# Altium PCB STM32_QFP100_DEVELOPMENT_BOARD.PcbDoc
Units mm, origin at the board's own origin, x right, y up, seen from the top; angles counter-clockwise.
Board outline 116.84 x 69.85 mm, 2 copper layers (Top Layer, Bottom Layer); 57 components, 106 nets, 335 pads, 109 vias.
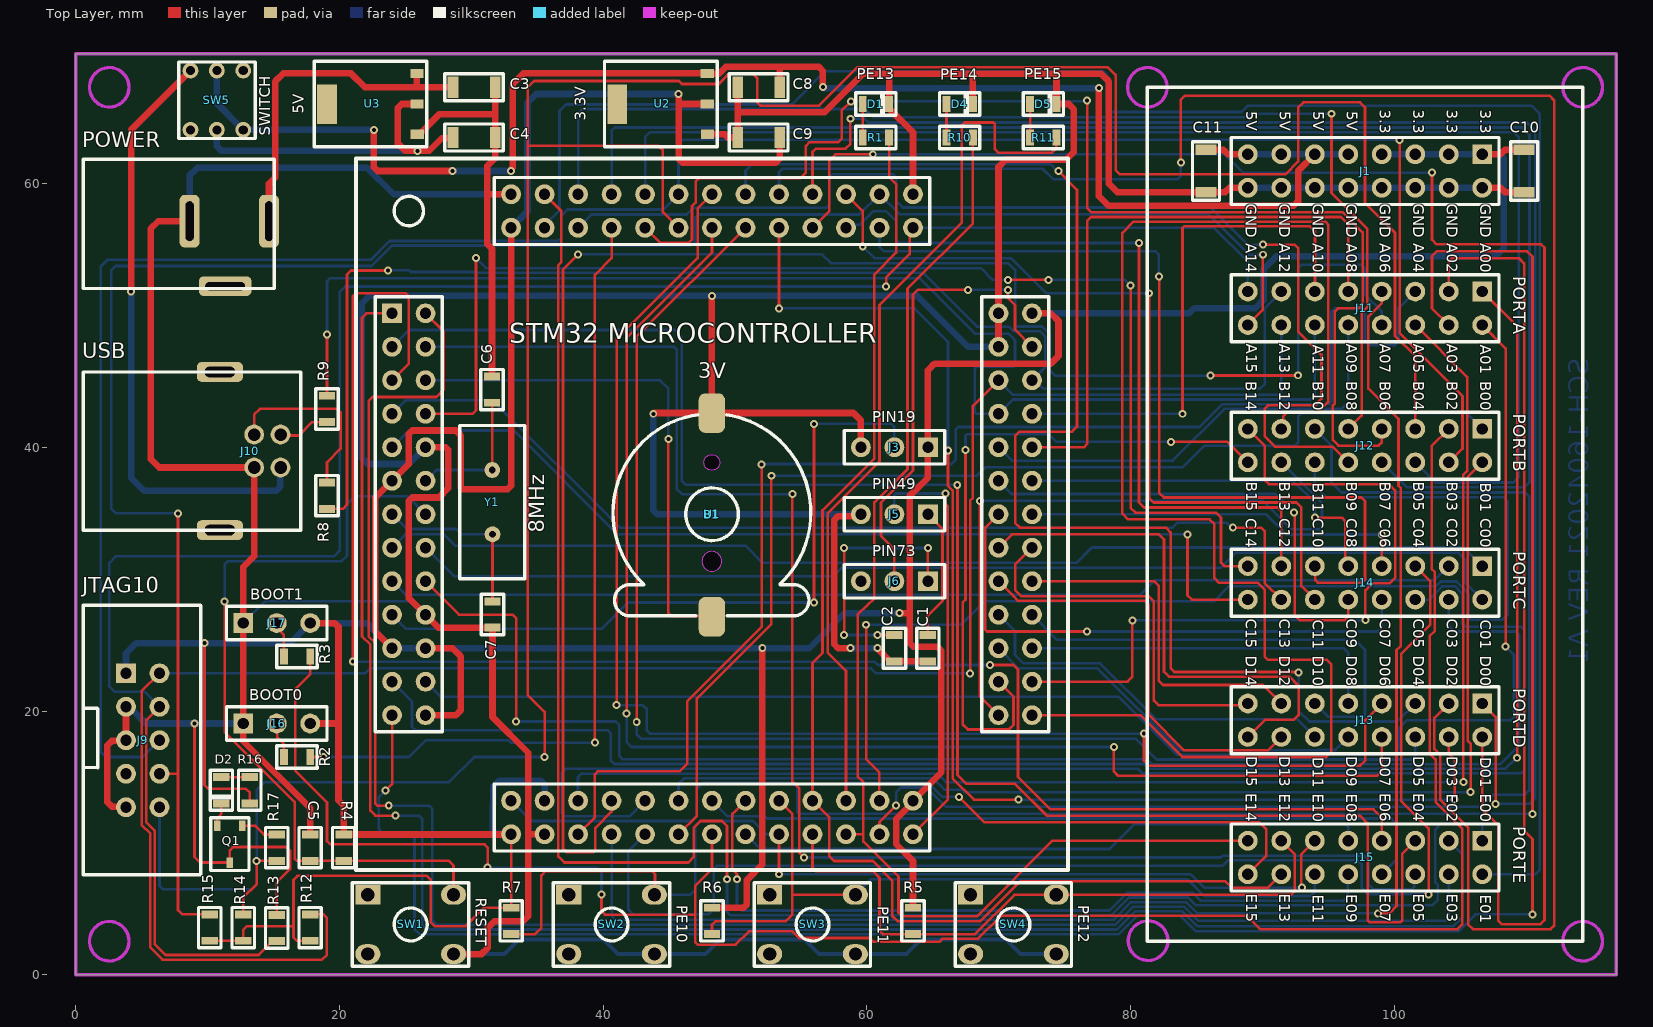
[diagram p0: Top Layer view]
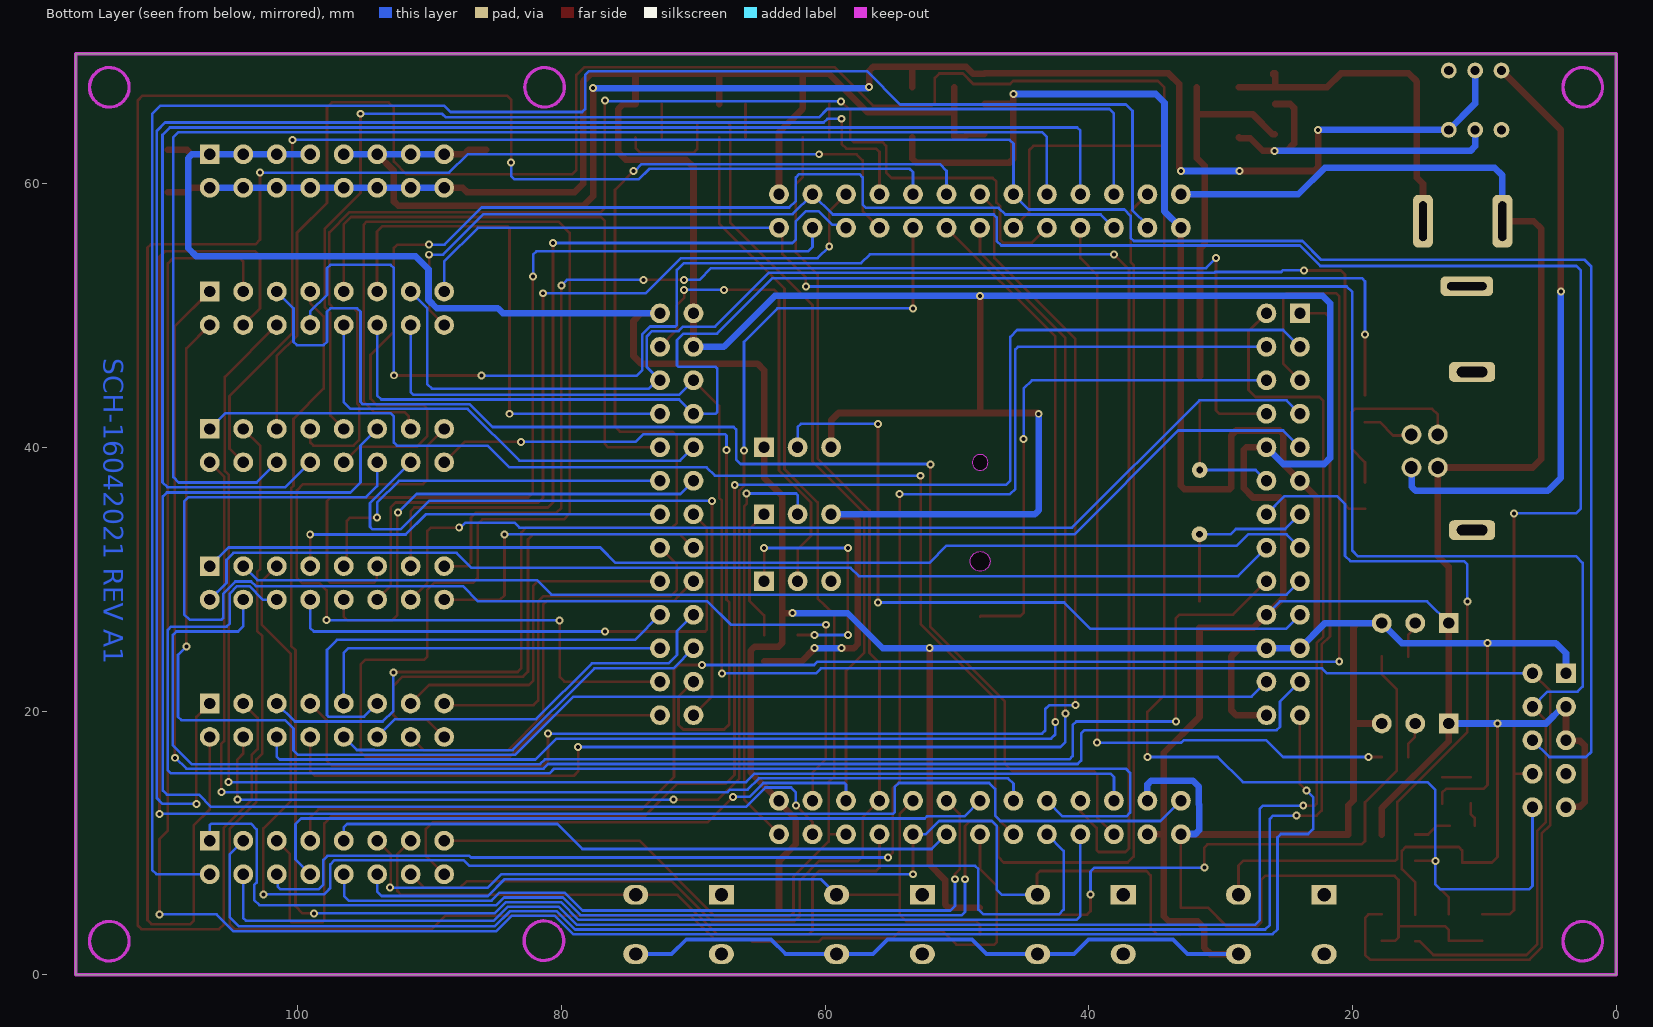
[diagram p1: Bottom Layer view, seen from below]

## Layer stack, top to bottom
Top Solder: solder mask 0.0102, Solder Resist, Dk 3.5
Top Layer: signal copper 0.0356
Dielectric 1: dielectric 0.32, FR-4, Dk 4.8
Bottom Layer: signal copper 0.0356
Bottom Solder: solder mask 0.0102, Solder Resist, Dk 3.5

## Board outline
0,0 116.84,0 116.84,69.85 0,69.85

## Design rules (kind name [scope] priority, off if disabled: settings)
Clearance [All] p1: gap=0.15 ignorepadtopadclearanceinfootprint=FALSE
PolygonConnect [All] p1: connectstyle=Relief reliefconductorwidth=0.254 reliefentries=4 polygonreliefangle="90 Angle" airgapwidth=0.254
RoutingCorners [All] p1: cornerstyle=90-Degree minsetback=2.54 maxsetback=2.54
RoutingPriority [OnLayer('Top Layer')] p1: routingpriority=0
RoutingVias [All] p1: holewidth=0.3 width=0.6 viastyle="Through Hole" minholewidth=0.3 minwidth=0.6 maxholewidth=0.3 maxwidth=0.6
SolderMaskExpansion [All] p1: expansion=0.102 istentingtop=FALSE
Width [All] p1: maxlimit=0.5 minlimit=0.2 preferedwidth=0.2
28 further rules are at their usual default settings.

## Components (designator, comment, footprint, x,y, rotation, side; value= is the part's Value field where it differs from the comment)
B1 "3V" CR1220 48.247,35.052 r0 top
C1 "102pF" C0805 64.63,24.765 r90 top
C2 "102pF" C0805 62.09,24.765 r90 top
C3 "102pF" C1206 30.21,67.31 r180 top
C4 "102pF" C1206 30.21,63.5 r180 top
C5 "104P" C0805 17.78,9.636 r270 top
C6 "22p" C0805 31.572,44.383 r270 top
C7 "22p" C0805 31.61,27.321 r90 top
C8 "102pF" C1206 51.8,67.31 r0 top
C9 "102pF" C1206 51.8,63.5 r0 top
C10 "102pF" C1206 109.855,60.96 r90 top
C11 "102pF" C1206 85.725,60.96 r90 top
D1 "PE13" L0805RED 60.69,65.415 r0 top
D2 "LED0805" L0805RED 10.411,13.986 r270 top
D4 "PE14" L0805RED 67.04,65.415 r0 top
D5 "PE15" L0805RED 73.39,65.415 r0 top
J1 "POWER" "Header 8x2 TH Pitch 2.54mm" 97.79,60.96 r270 top
J3 "PIN19" "Header 3x1 TH Pitch 2.54mm" 62.09,40.005 r180 top
J5 "PIN49" "Header 3x1 TH Pitch 2.54mm" 62.09,34.925 r180 top
J6 "PIN73" "Header 3x1 TH Pitch 2.54mm" 62.09,29.845 r180 top
J9 "JTAG10" IDC_CONNECTOR_10x2.54 5.08,17.78 r0 top
J10 "USB" USB-B-TYPE 14.53,39.72 r0 top
J11 "PORTA" "Header 8x2 TH Pitch 2.54mm" 97.79,50.546 r270 top
J12 "PORTB" "Header 8x2 TH Pitch 2.54mm" 97.79,40.132 r270 top
J13 "PORTD" "Header 8x2 TH Pitch 2.54mm" 97.79,19.304 r270 top
J14 "PORTC" "Header 8x2 TH Pitch 2.54mm" 97.79,29.718 r270 top
J15 "PORTE" "Header 8x2 TH Pitch 2.54mm" 97.79,8.89 r270 top
J16 "BOOT0" "Header 3x1 TH Pitch 2.54mm" 15.24,19.05 r0 top
J17 "BOOT1" "Header 3x1 TH Pitch 2.54mm" 15.24,26.67 r0 top
POWER "Connector" DC_K375A_Power 7.355,44.15 r270 top
Q1 "2N3906" SOT23-3 11.684,9.906 r180 top
R1 "10k" R0805 61.69,63.5 r0 top
R2 "10k" R0805 17.78,16.51 r0 top
R3 "10k" R0805 17.78,24.13 r0 top
R4 "4K7" R0805 20.32,8.636 r270 top
R5 "4K7" R0805 63.5,3.08 r270 top
R6 "4K7" R0805 48.26,3.08 r270 top
R7 "4K7" R0805 33.02,3.08 r270 top
R8 "4K7" R0805 19.05,35.338 r270 top
R9 "4K7" R0805 19.05,43.91 r90 top
R10 "10k" R0805 68.04,63.5 r0 top
R11 "10k" R0805 74.39,63.5 r0 top
R12 "10k" R0805 17.78,4.572 r90 top
R13 "10k" R0805 15.24,2.54 r270 top
R14 "10k" R0805 12.7,4.572 r90 top
R15 "10k" R0805 10.16,4.572 r90 top
R16 "1K" R0805 13.195,12.986 r270 top
R17 "4K7" R0805 15.24,8.636 r270 top
SW1 "RESET" BUTTON_HOLE_5.0mm 25.4,3.81 r90 top
SW2 "PE10" BUTTON_HOLE_5.0mm 40.64,3.81 r90 top
SW3 "PE11" BUTTON_HOLE_5.0mm 55.88,3.81 r90 top
SW4 "PE12" BUTTON_HOLE_5.0mm 71.12,3.81 r90 top
SW5 "SWITCH" "SWITCH 5.8x5.8 6 PINS" 10.7,66.33 r0 top
U1 "STM32 MICROCONTROLLER" SOCKET-ADAPTER-OTQ-100-05-12 48.26,34.925 r90 top
U2 "3.3V" SOT223-3 44.45,66.04 r90 top
U3 "5V" SOT223-3 22.425,66.04 r90 top
Y1 "8MHz" HC-49S 31.584,33.401 r90 top

## Footprints (in the part's own frame and the unit in brackets; to place one, negate y for a bottom-side part, rotate by r counter-clockwise, add the part's x,y. Pads: shape width x height; smd on the part's side, far side on the other; paste and mask are expansions set on the pad)
BUTTON_HOLE_5.0mm [mm]
  rect 1.5x1.9 hole 1: 1(2.25,3.25)
  oval 1.5x1.9 hole 1: 2(2.25,-3.25) 3(-2.25,3.25) 4(-2.25,-3.25)
  silkscreen extent -3.18,-4.4 3.18,4.42, body extent -3,-3.86 3,3.86, height 5
C0805 [mm]
  rect 0.6x1.24 smd: 1(-1,0) 2(1,0)
  silkscreen extent -1.52,-0.85 1.53,0.85, body extent -1,-0.6 1,0.6, height 1
C1206 [mm]
  rect 0.8x1.6 smd: 1(-1.6,0) 2(1.6,0)
  silkscreen extent -2.23,-1.02 2.22,1.02, body extent -1.6,-0.8 1.6,0.8, height 0.75
CR1220 [mm]
  rrect50% 2x3 smd: 1(0,-7.9) 2(0,7.55)
  Keep-Out Layer board cut-out: 0,3.2 -0.23,3.246 -0.424,3.376 -0.554,3.57 -0.6,3.8 -0.6,3.8 -0.554,4.03 -0.424,4.224 -0.23,4.354 0,4.4 0,4.4 0.23,4.354 0.424,4.224 0.554,4.03 0.6,3.8 0.6,3.8 0.554,3.57 0.424,3.376 0.23,3.246 0,3.2
  Keep-Out Layer board cut-out: -0.75,-3.7 -0.693,-3.987 -0.53,-4.23 -0.287,-4.393 0,-4.45 0,-4.45 0.287,-4.393 0.53,-4.23 0.693,-3.987 0.75,-3.7 0.75,-3.7 0.693,-3.413 0.53,-3.17 0.287,-3.007 0,-2.95 0,-2.95 -0.287,-3.007 -0.53,-3.17 -0.693,-3.413 -0.75,-3.7
  silkscreen extent -7.5,-7.84 7.5,7.43, body extent -7.5,-9.42 7.5,9.07, height 4.04
DC_K375A_Power [mm]
  rrect50% 4x1.5 hole 0.6 slot 3 at 0 deg: 1(-13,7.3) 2(-13,1.275)
  rrect50% 1.5x4 hole 0.6 slot 3 at 90 deg: 3(-8.075,3.975)
  silkscreen extent -17.7,-6.8 -7.9,7.7, body extent -17.7,-6.8 -7.9,7.7, height 11
HC-49S [mm]
  round 1.2 hole 0.5: 1(0,-0.025) 2(4.88,0)
  silkscreen extent -3.37,-2.47 8.25,2.45, body extent -3.24,-2.33 8.11,2.32, height 3.5
"Header 3x1 TH Pitch 2.54mm" [mm]
  rect 1.5x1.5 hole 0.85: 1(-2.54,0)
  round 1.5 hole 0.85: 2(0,0) 3(2.54,0)
  silkscreen extent -3.81,-1.27 3.81,1.27, body extent -3.81,-1.27 3.81,1.27, height 8.89
"Header 8x2 TH Pitch 2.54mm" [mm]
  rect 1.5x1.5 hole 0.85: 1(-1.27,8.89)
  round 1.5 hole 0.85: 2(1.27,8.89) 3(-1.27,6.35) 4(1.27,6.35) 5(-1.27,3.81) 6(1.27,3.81) 7(-1.27,1.27) 8(1.27,1.27) 9(-1.27,-1.27) 10(1.27,-1.27) 11(-1.27,-3.81) 12(1.27,-3.81) 13(-1.27,-6.35) 14(1.27,-6.35) 15(-1.27,-8.89) 16(1.27,-8.89)
  silkscreen extent -2.54,-10.16 2.54,10.16, body extent -2.54,-10.16 2.54,10.16, height 8.89
IDC_CONNECTOR_10x2.54 [mm]
  rect 1.5x1.5 hole 0.85: 1(-1.27,5.08)
  round 1.5 hole 0.85: 2(1.27,5.08) 3(-1.27,2.54) 4(1.27,2.54) 5(-1.27,0) 6(1.27,0) 7(-1.27,-2.54) 8(1.27,-2.54) 9(-1.27,-5.08) 10(1.27,-5.08)
  silkscreen extent -4.52,-10.2 4.4,10.25, body extent -4.5,-10.25 4.4,10.25, height 3.1
L0805RED [mm]
  rect 0.6x1.24 smd: 1(-1,0.625) 2(1,0.625)
  silkscreen extent -1.53,-0.23 1.52,1.47, body extent -1,0 1,1.25, height 1.1
R0805 [mm]
  rect 0.6x1.24 smd: 1(-2,0) 2(0,0)
  silkscreen extent -2.53,-0.85 0.53,0.85, body extent -2,-0.62 0,0.62, height 0.45
SOCKET-ADAPTER-OTQ-100-05-12 [mm]
  rect 1.5x1.5 hole 0.85: 1(15.24,24.27)
  round 1.5 hole 0.85: 2(15.24,21.73) 3(12.7,24.27) 4(12.7,21.73) 5(10.16,24.27) 6(10.16,21.73) 7(7.62,24.27) 8(7.62,21.73) 9(5.08,24.27) 10(5.08,21.73) 11(2.54,24.27) 12(2.54,21.73) 13(0,24.27) 14(0,21.73) 15(-2.54,24.27) 16(-2.54,21.73) 17(-5.08,24.27) 18(-5.08,21.73) 19(-7.62,24.27) 20(-7.62,21.73) 21(-10.16,24.27) 22(-10.16,21.73) 23(-12.7,24.27) 24(-12.7,21.73) 25(-15.24,24.27) 26(-21.73,15.24) 27(-24.27,12.7) 28(-21.73,12.7) 29(-24.27,10.16) 30(-21.73,10.16) 31(-24.27,7.62) 32(-21.73,7.62) 33(-24.27,5.08) 34(-21.73,5.08) 35(-24.27,2.54) 36(-21.73,2.54) 37(-24.27,0) 38(-21.73,0) 39(-24.27,-2.54) 40(-21.73,-2.54) 41(-24.27,-5.08) 42(-21.73,-5.08) 43(-24.27,-7.62) 44(-21.73,-7.62) 45(-24.27,-10.16) 46(-21.73,-10.16) 47(-24.27,-12.7) 48(-21.73,-12.7) 49(-24.27,-15.24) 50(-21.73,-15.24) 51(-15.24,-24.27) 52(-15.24,-21.73) 53(-12.7,-24.27) 54(-12.7,-21.73) 55(-10.16,-24.27) 56(-10.16,-21.73) 57(-7.62,-24.27) 58(-7.62,-21.73) 59(-5.08,-24.27) 60(-5.08,-21.73) 61(-2.54,-24.27) 62(-2.54,-21.73) 63(0,-24.27) 64(0,-21.73) 65(2.54,-24.27) 66(2.54,-21.73) 67(5.08,-24.27) 68(5.08,-21.73) 69(7.62,-24.27) 70(7.62,-21.73) 71(10.16,-24.27) 72(10.16,-21.73) 73(12.7,-24.27) 74(12.7,-21.73) 75(15.24,-24.27) 76(21.73,-15.24) 77(24.27,-12.7) 78(21.73,-12.7) 79(24.27,-10.16) 80(21.73,-10.16) 81(24.27,-7.62) 82(21.73,-7.62) 83(24.27,-5.08) 84(21.73,-5.08) 85(24.27,-2.54) 86(21.73,-2.54) 87(24.27,0) 88(21.73,0) 89(24.27,2.54) 90(21.73,2.54) 91(24.27,5.08) 92(21.73,5.08) 93(24.27,7.62) 94(21.73,7.62) 95(24.27,10.16) 96(21.73,10.16) 97(24.27,12.7) 98(21.73,12.7) 99(24.27,15.24) 100(21.73,15.24) 101(-15.24,21.73) 102(-24.27,15.24) 103(15.24,-21.73) 104(24.27,-15.24)
  silkscreen extent -27,-27 27,27, body extent -25.54,-25.54 25.54,25.54, height 8.89
SOT23-3 [mm]
  rect 0.5x0.8 smd: 1(-0.95,-1.4) 2(0.95,-1.4) 3(0,1.4)
  silkscreen extent -1.45,-2 1.45,2, body extent -1.45,-1.4 1.45,1.4, height 1.3
SOT223-3 [mm]
  rect 0.7x1 smd: 1(-2.3,-3.475) 2(0,-3.45) 3(2.325,-3.45)
  rect 3x1.5 smd: 4(0,3.375)
  silkscreen extent -3.25,-4.2 3.25,4.35, body extent -3.25,-3.5 3.25,3.5, height 1.7
"SWITCH 5.8x5.8 6 PINS" [mm]
  round 1.2 hole 0.7: 1(-2,2.25) 2(0,2.25) 3(2,2.25) 4(2,-2.25) 5(0,-2.25) 6(-2,-2.25)
  silkscreen extent -2.9,-2.9 2.9,2.9
USB-B-TYPE [mm]
  round 1.5 hole 0.95: 1(1,-1.25) 2(1,1.25) 3(-1,1.25) 4(-1,-1.25)
  rrect50% 3.5x1.5 hole 0.8 slot 2.3 at 0 deg: S1(-3.6,6) S2(-3.6,-6)
  silkscreen extent -13.97,-6 2.53,6, body extent -13.97,-7.42 2.53,7.37, height 11

## Part data
B1: library part Batery
C1 C2 C3 C4 C8 C9 C10 C11: library part Capacitors(SMD)
C5 C6 C7: library part C0805
D1 D4 D5: library part LED0805
J1 J11 J12 J13 J14 J15: library part "Header 8x2 TH Pitch 2.54mm"
J3 J5 J6 J16 J17: library part "Header 3x1 TH Pitch 2.54mm"
J9: library part IDC_2.54_5x2
J10: library part "USB B Type"
POWER: library part JackDC
Q1: library part "2N3906 (SOT-23)"
R1 R2 R3 R4 R5 R6 R7 R8 R9 R10 R11 R12 R13 R14 R15 R16 R17: library part "Resistor SMD"
SW1 SW2 SW3 SW4: library part "Button Hole"
SW5: library part SWITCH-DPDT
U1: library part SOCKET-ADAPTER-OTQ-100-05-12
U2 U3: library part AMS1117(SOT-223)
Y1: library part Crystal

## Via types
v1: diameter 0.6, hole 0.3, Top Layer to Bottom Layer, tented both sides, 109 vias

## Nets (pads, with @x,y where several pads share a name; then routed paths per layer and width w, separated by ;. In a path a pad name is that pad's centre, name@x,y a point inside that pad or via, vN(x,y) a via of type N, cw(c..) or ccw(c..) an arc to the next point about the centre after c; other vN are vias at no path point)
+5: C8.2 C11.2 J1.9 J1.11 J1.13 J1.15 SW5.2 SW5.4 U2.3 | length 122
  Top Layer w0.5: v1(22.606,64.084) 22.606,61.253 22.899,60.96 v1(28.575,60.96) ; v1(33.02,60.96) 33.02,61.087 33.147,61.214 33.147,67.564 33.948,68.365 U2.3 47.939,68.326 48.768,68.326 49.302,68.86 53.441,68.86 ; C8.2 53.4,68.767 53.467,68.834 53.441,68.86 ; v1(56.661,67.342) 56.661,68.567 56.368,68.86 53.441,68.86 ; v1(77.597,67.245) 77.597,59.055 78.334,58.318 92.38,58.318 92.71,58.649 92.71,60.96 J1.11 ; C11.2 87.046,62.56 87.376,62.23 J1.15
  Bottom Layer w0.5: SW5.2 10.7,66.08 SW5.4 12.702,64.082 22.604,64.082 v1(22.606,64.084) ; v1(28.575,60.96) v1(33.02,60.96) ; v1(56.661,67.342) 56.688,67.342 56.784,67.245 v1(77.597,67.245) ; J1.15 J1.13 J1.11 J1.9
BOOT0: R2.2 U1.94 | length 61.8
  Top Layer w0.2: R2.2 v1(18.796,16.51) ; v1(39.37,17.602) 39.37,53.074 40.64,54.344 U1.94
  Bottom Layer w0.2: v1(18.796,16.51) 25.273,16.51 26.543,17.78 32.813,17.78 32.991,17.602 v1(39.37,17.602)
GND: B1.2 C1.1 C2.1 C3.1 C4.1 C5.1 C6.1 C7.1 C8.1 C9.1 C10.1 C11.1 D1.2 D4.2 D5.2 J1.2 J1.4 J1.6 J1.8 J1.10 J1.12 J1.14 J1.16 J3.3 J5.3 J9.3 J9.5 J9.9 J10.4 J16.1 J17.1 POWER.2 Q1.3 R13.1 SW1.4 SW2.4 SW3.4 SW4.4 U1.10 U1.20 U1.27 U1.74 U1.99 U1.103 U1.104 U2.1 U3.1 | length 531.6
  Top Layer w0.2: v1(9.004,19.05) 9.004,8.941 9.438,8.506 Q1.3 11.684,9.434 11.938,9.688 15.966,9.688 16.256,9.398 16.256,8.001 15.24,6.985 R13.1
  Top Layer w0.5: J9.9 3.764,12.746 2.735,12.746 2.4,13.081 2.4,17.399 2.735,17.734 3.764,17.734 J9.5 J9.3 ; POWER.2 6.248,57.15 5.69,56.591 5.69,39.116 6.336,38.47 J10.4 13.53,31.75 12.7,30.92 J17.1 J16.1 12.7,17.712 17.78,12.632 C5.1 ; U3.1 26.05,63.74 27.588,65.278 31.81,65.278 ; U1.10 28.067,40.005 28.258,39.814 28.258,36.907 27.546,36.195 25.514,36.195 25.26,35.941 25.26,28.575 U1.20 27.514,26.321 C7.1 31.61,19.546 34.315,16.84 34.315,10.668 ; SW1.4 30.77,1.56 31.242,2.032 31.242,3.543 31.75,4.051 33.934,4.051 34.315,4.432 34.315,10.668 ; C6.1 31.572,55.06 31.21,55.423 31.21,59.182 ; C3.1 31.81,65.278 ; U1.99 33.007,59.182 31.21,59.182 ; U1.27 34.328,10.655 34.315,10.668 ; v1(43.802,42.545) 43.859,42.602 B1.2 ; U2.1 49.225,63.74 49.465,63.5 50.133,63.5 50.2,63.567 50.2,65.405 ; v1(48.26,51.486) 48.247,51.473 B1.2 ; C8.1 50.2,65.405 ; v1(58.759,24.765) 57.824,24.765 57.531,25.058 57.531,34.492 57.824,34.785 59.41,34.785 J5.3 ; J3.3 59.55,42.037 58.985,42.602 B1.2 ; v1(60.82,24.765) 60.839,24.746 60.839,24.695 61.77,23.765 C2.1 C1.1 ; 61.69,68.326 D1.2 61.69,65.71 63.5,63.9 U1.104 ; D4.2 68.04,68.326 ; U1.74 69.99,48.87 U1.103 69.99,61.271 70.536,61.817 75.108,61.817 75.692,62.401 75.692,65.659 75.311,66.04 D5.2 74.39,68.326 ; J1.16 87.503,59.69 87.173,59.36 C11.1 78.994,59.36 78.359,59.995 78.359,67.742 77.767,68.334 59.698,68.334 56.769,65.405 50.2,65.405 ; J1.2 108.077,59.69 108.407,59.36 C10.1 ; 31.21,59.182 31.21,61.341 31.81,61.941 C4.1 31.81,65.278
  Bottom Layer w0.2: J17.1 14.351,28.321 25.514,28.321 U1.20
  Bottom Layer w0.3: SW1.4 32.523,1.56 33.63,2.667 40.016,2.667 41.123,1.56 SW2.4 47.763,1.56 48.87,2.667 55.256,2.667 56.363,1.56 SW3.4 62.992,1.56 64.099,2.667 70.536,2.667 71.643,1.56 SW4.4
  Bottom Layer w0.5: J9.3 4.051,20.32 5.321,19.05 J16.1 ; POWER.2 8.63,60.624 9.22,61.214 22.098,61.214 24.117,59.195 U1.99 ; U1.10 25.26,38.735 22.149,38.735 21.704,39.18 21.704,50.927 22.274,51.497 63.806,51.497 67.678,47.625 U1.74 ; v1(43.802,42.545) 43.802,35.218 44.095,34.925 J5.3 ; v1(58.759,24.765) v1(60.82,24.765) ; J1.16 J1.2
JNRST: J9.10 J12.5 R14.2 R17.2 U1.90 | length 223.5
  Top Layer w0.2: R14.2 12.7,5.842 13.716,6.858 v1(13.716,8.636) R17.2 ; v1(35.56,16.51) 35.56,19.926 34.277,21.209 34.277,62.865 ; U1.90 44.526,57.849 44.526,62.535 44.196,62.865 34.277,62.865 ; J12.5 101.6,46.914 100.06,48.454 100.06,56.277 97.79,58.547 97.79,65.786 97.409,66.167 93.116,66.167 92.71,65.761 92.71,61.667 91.749,60.706 79.197,60.706 78.867,61.036 78.867,68.24 78.273,68.834 59.309,68.834 56.388,65.913 51.93,65.913 51.676,66.167 51.676,68.021 51.337,68.36 49.564,68.36 48.768,67.564 45.974,67.564 45.748,67.79 34.757,67.79 34.277,67.31 34.277,62.865
  Bottom Layer w0.2: J9.10 6.35,6.731 6.604,6.477 13.335,6.477 13.716,6.858 v1(13.716,8.636) 13.716,14.021 14.3,14.605 28.321,14.605 30.226,16.51 v1(35.56,16.51)
JTCK: J9.4 J11.15 R13.2 U1.76 | length 155.8
  Top Layer w0.2: J9.4 5.35,19.32 5.35,11.55 6,10.9 6,2.306 6.813,1.493 13.873,1.493 14.92,2.54 R13.2 ; v1(61.468,52.197) 61.468,52.883 63.246,54.661 63.246,56.655 U1.76
  Bottom Layer w0.2: J9.4 5.207,21.463 2.921,21.463 2.54,21.844 2.54,31.242 3.048,31.75 19.609,31.75 20.015,32.156 20.015,51.765 20.447,52.197 v1(61.468,52.197) ; U1.76 86.347,56.655 88.9,54.102 J11.15
JTDI: J9.8 J11.16 R15.2 U1.77 | length 155.8
  Top Layer w0.2: J9.8 7.7,15.24 7.755,15.295 ; v1(7.755,34.99) 7.755,15.295 ; R15.2 8.077,4.572 7.755,4.894 7.755,15.295 ; J11.16 90.03,50.406 v1@90.03,54.61
  Bottom Layer w0.2: v1(7.755,34.99) 3.048,34.99 2.685,35.353 2.685,53.415 3.023,53.752 22.434,53.752 23.987,55.305 46.64,55.305 46.99,55.655 46.99,57.433 47.215,57.658 59.423,57.658 U1.77 62.472,57.683 85.903,57.683 88.976,54.61 v1(90.043,54.61)
JTDO: J9.6 J12.4 U1.89 | length 174.6
  Top Layer w0.2: v1(100.41,63.326) 100.41,48.663 105.181,43.891 105.181,39.903 J12.4
  Bottom Layer w0.2: J9.6 6.337,17.78 5.067,16.51 2.286,16.51 1.892,16.904 1.892,20.447 1.892,53.721 2.4,54.229 22.377,54.229 23.803,55.655 36.592,55.655 36.83,55.893 36.83,57.556 37.313,58.039 44.564,58.039 U1.89 45.72,63.043 46.003,63.326 v1(100.41,63.326)
JTMS: J9.2 J11.14 R12.2 U1.72 | length 151.7
  Top Layer w0.2: J9.2 5,21.51 5,11.37 5.65,10.72 5.65,2.072 6.579,1.143 18.669,1.143 19.037,1.511 19.037,4.318 18.783,4.572 R12.2 ; v1(67.818,22.86) 67.836,22.878 67.836,35.975 68.036,36.175 68.036,43.131 U1.72
  Bottom Layer w0.2: J9.2 21.92,22.86 22.301,23.241 60.325,23.241 60.706,22.86 v1(67.818,22.86) ; U1.72 71.099,43.976 91.22,43.976 91.44,44.196 J11.14
NetB1_1: B1.1 U1.6 | length 39.1
  Top Layer w0.2: v1(44.945,40.64) 44.945,27.445 45.187,27.203 48.195,27.203 B1.1
  Bottom Layer w0.2: U1.6 44.31,45.085 44.945,44.45 v1(44.945,40.64)
NetC1_2: C1.2 J5.1 | length 10.1
  Top Layer w0.2: C1.2 64.63,27.241 65.735,28.346 65.735,33.819 J5.1
NetC2_2: C2.2 J6.1 | length 19.5
  Top Layer w0.2: v1(58.28,25.765) v1(58.28,32.369) ; v1(60.804,25.781) 60.82,25.765 C2.2 ; v1@64.516,32.472 v1(64.63,32.358) J6.1
  Bottom Layer w0.2: v1(58.28,25.765) 60.788,25.765 v1(60.804,25.781) ; v1(58.28,32.369) 64.619,32.369 v1(64.63,32.358)
NetC3_2: C3.2 POWER.1 U3.3 | length 26.3
  Top Layer w0.5: POWER.1 14.656,59.995 15.113,60.452 15.113,67.742 15.736,68.365 20.881,68.365 21.936,67.31 25.857,67.31 ; U3.3@26.023,68.265 U3.3@25.923,68.365 ; U3.3@26.025,68.365 U3.3@25.923,68.365 ; C3.2 25.857,67.31 ; 25.857,67.31 25.875,67.328 U3.3 U3.3@25.923,68.365
NetC4_2: C4.2 SW5.5 U3.2 | length 25.7
  Top Layer w0.5: U3.2 24.728,66.04 24.435,65.747 24.435,63.043 24.974,62.503 25.889,62.503 v1(25.908,62.484) 25.927,62.503 26.816,62.503 27.753,63.44 28.55,63.44 C4.2
  Bottom Layer w0.5: SW5.5 10.7,62.833 11.049,62.484 v1(25.908,62.484)
NetD1_1: D1.1 R1.1 | length 2.5
  Top Layer w0.2: R1.1 D1.1
NetD2_1: D2.1 R16.1 | length 2.2
  Top Layer w0.2: D2.1 R16.1
NetD2_2: D2.2 Q1.2 | length 1.8
  Top Layer w0.2: Q1.2 10.734,11.89 11.036,12.192 D2.2
NetD4_1: D4.1 R10.1 | length 2.5
  Top Layer w0.2: R10.1 D4.1
NetD5_1: D5.1 R11.1 | length 2.5
  Top Layer w0.2: R11.1 D5.1
NetJ10_1: J10.1 SW5.1 | length 46.1
  Top Layer w0.5: v1(4.191,51.816) 4.191,64.071 SW5.1
  Bottom Layer w0.5: v1(4.191,51.816) 4.191,37.694 5.182,36.703 15.214,36.703 15.507,36.996 15.507,38.447 J10.1
NetJ10_2: J10.2 R9.1 | length 4
  Top Layer w0.2: J10.2 15.606,40.894 16.916,40.894 17.932,41.91 R9.1
NetJ10_3: J10.3 R8.1 | length 14.1
  Top Layer w0.2: J10.3 13.53,42.486 13.97,42.926 19.812,42.926 20.091,42.647 20.091,39.903 19.05,38.862 R8.1
NetJ16_2: J16.2 R2.1 | length 2.8
  Top Layer w0.2: J16.2 15.29,19 15.29,18 15.78,17.51 R2.1
NetJ17_2: J17.2 R3.1 | length 2.8
  Top Layer w0.2: J17.2 15.24,26.318 15.78,25.778 R3.1
NetQ1_1: Q1.1 R17.1 | length 2.9
  Top Layer w0.2: Q1.1 13.589,11.306 14.259,10.636 R17.1
nRST: C5.2 R4.2 SW1.2 U1.14 | length 59.2
  Top Layer w0.2: v1(11.29,28.321) 11.29,18.415 16.606,13.099 16.606,8.794 16.764,8.636 C5.2 R4.2 28.294,8.636 28.65,8.28 SW1.2
  Bottom Layer w0.2: v1(11.29,28.321) 11.29,31.115 11.537,31.362 20.161,31.362 20.574,31.775 20.574,35.687 21.184,36.297 25.158,36.297 U1.14
OSC0: C6.2 U1.12 Y1.2 | length 10.5
  Top Layer w0.2: C6.2 31.584,43.371 Y1.2
  Bottom Layer w0.2: U1.12 27.346,38.281 Y1.2
OSC1: C7.2 U1.13 Y1.1 | length 13.3
  Top Layer w0.2: C7.2 Y1.1
  Bottom Layer w0.2: U1.13 25.108,33.807 28.854,33.807 29.261,33.401 Y1.1
PA0: J11.1 U1.23 | length 127.2
  Top Layer w0.2: J11.1 109.347,49.149 109.347,16.51 109.305,16.468 v1(109.305,16.452)
  Bottom Layer w0.2: U1.23 25.496,20.719 25.496,18.805 25.759,18.542 40.335,18.542 40.589,18.288 40.589,16.231 40.843,15.977 81.01,15.977 81.362,15.625 108.462,15.625 109.289,16.452 v1(109.305,16.452)
PA1: J11.2 U1.24 | length 117.7
  Top Layer w0.2: J11.2 108.458,47.498 v1(108.458,24.892)
  Bottom Layer w0.2: U1.24 27.66,21.095 79.089,21.095 83.51,16.675 99.987,16.675 100.33,17.018 100.33,18.669 100.965,19.304 108.839,19.304 109.093,19.558 109.093,24.257 v1(108.458,24.892)
PA2: J11.3 U1.25 | length 163.4
  Top Layer w0.2: v1(23.495,13.97) 23.99,14.465 U1.25 ; J11.3 104.14,54.102 104.394,54.356 109.448,54.356 109.855,53.95 109.855,10.922 110.49,10.287 v1(110.49,4.572)
  Bottom Layer w0.2: v1(23.495,13.97) 22.987,13.462 22.987,11.049 23.368,10.668 25.438,10.668 25.692,10.414 25.692,3.442 26.058,3.076 79.118,3.076 80.499,4.457 83.78,4.457 84.936,3.302 104.902,3.302 106.172,4.572 v1(110.49,4.572)
PA3: J11.4 U1.26 | length 138.6
  Top Layer w0.2: J11.4 102.87,50.546 102.87,54.509 103.226,54.864 110.083,54.864 110.49,54.458 v1(110.49,12.192)
  Bottom Layer w0.2: U1.26 34.56,11.655 46.707,11.655 47.111,12.059 47.111,14.091 47.565,14.545 54.413,14.545 54.724,14.234 54.724,12.319 54.848,12.195 110.487,12.195 v1(110.49,12.192)